# Altium PCB Digitalizador_RPi.PcbDoc (part 1 of 3)
Units mm, origin at the board's own origin, x right, y up, seen from the top; angles counter-clockwise.
Board outline 147 x 95 mm, 2 copper layers (Top Layer, Bottom Layer); 227 components, 173 nets, 747 pads, 172 vias.
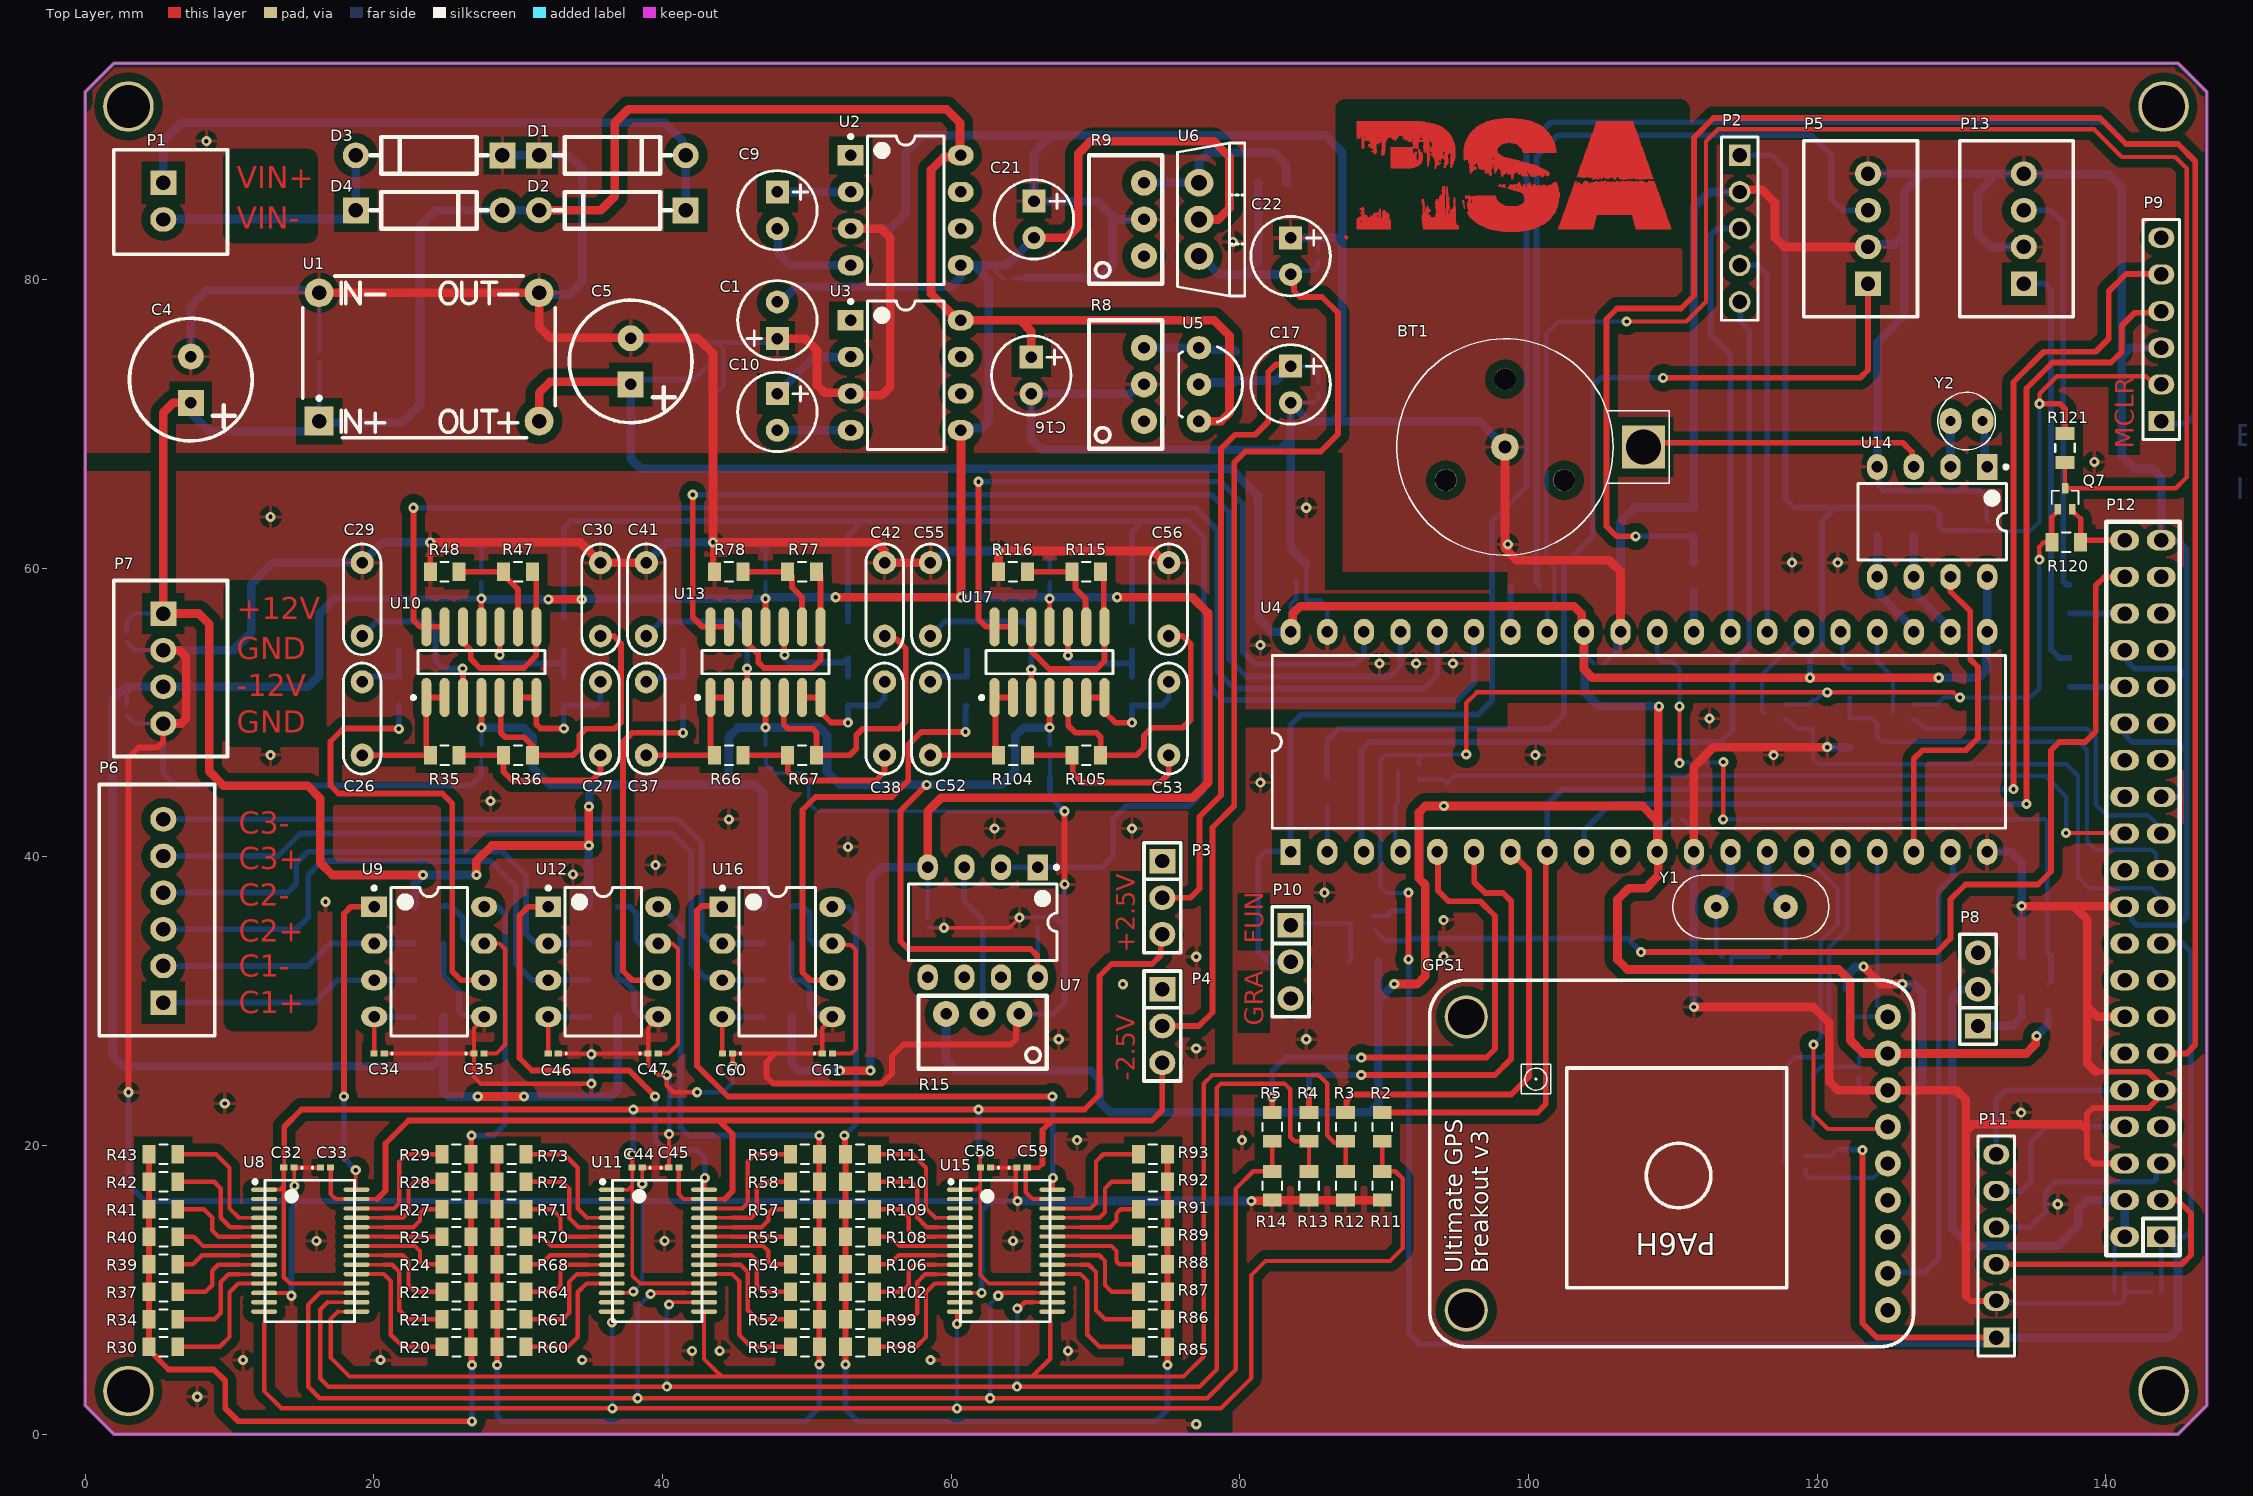
[diagram p0: Top Layer view]
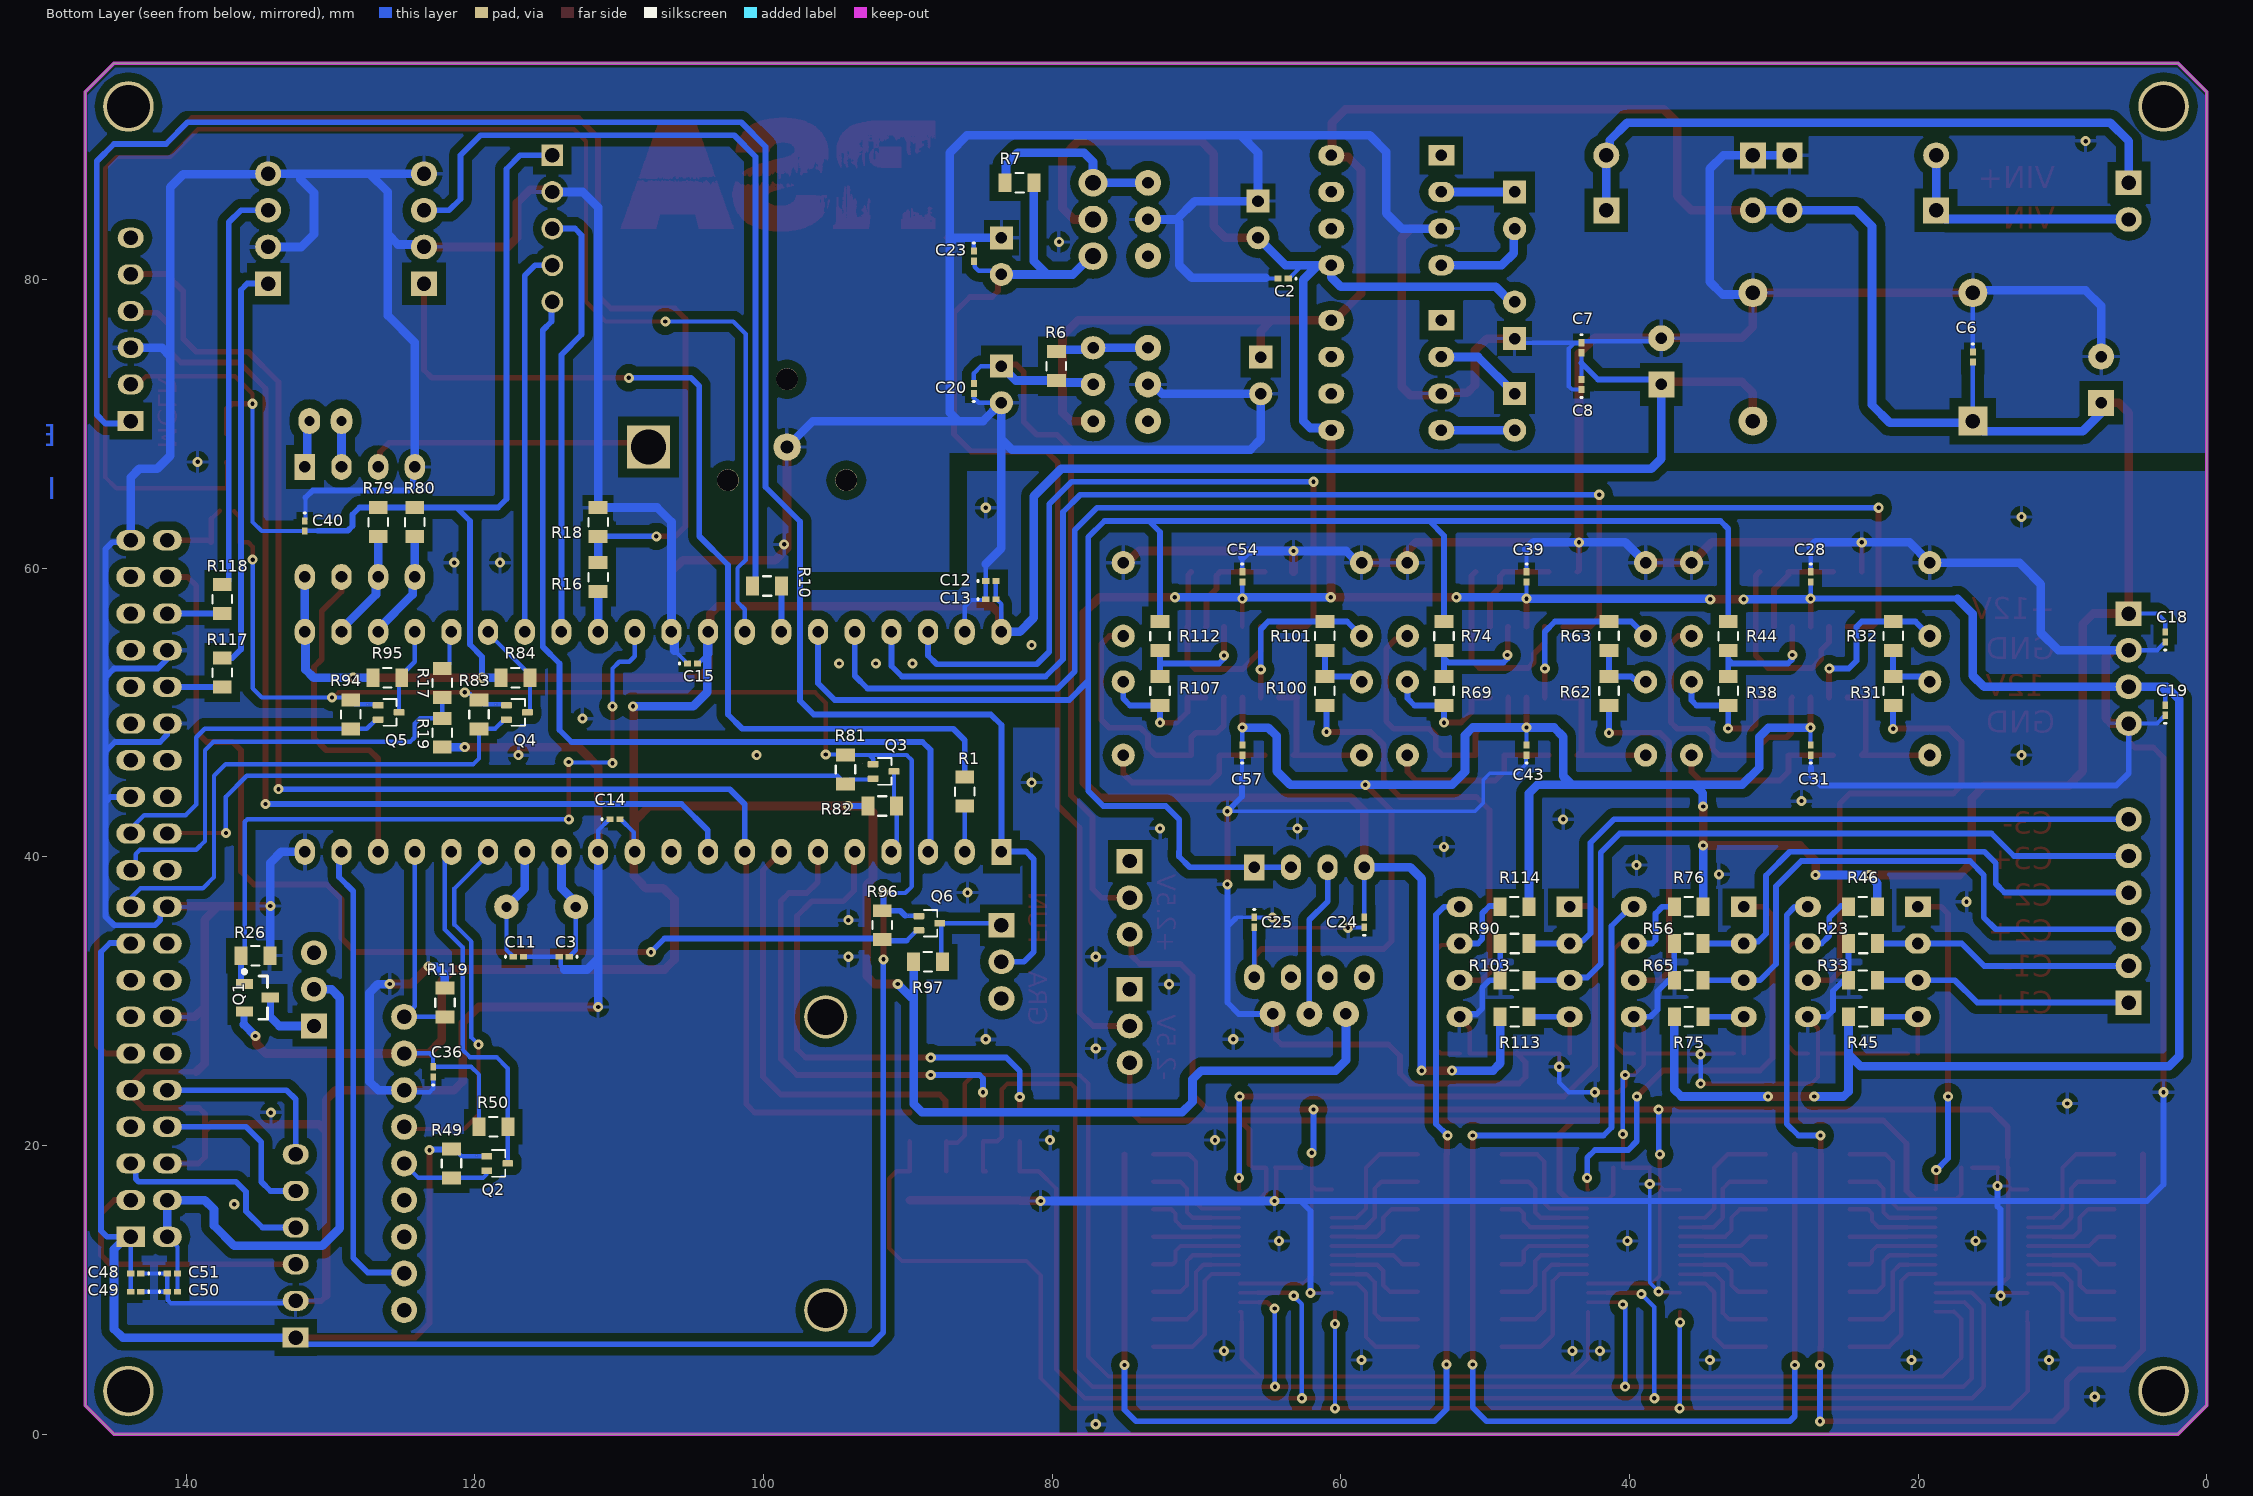
[diagram p1: Bottom Layer view, seen from below]
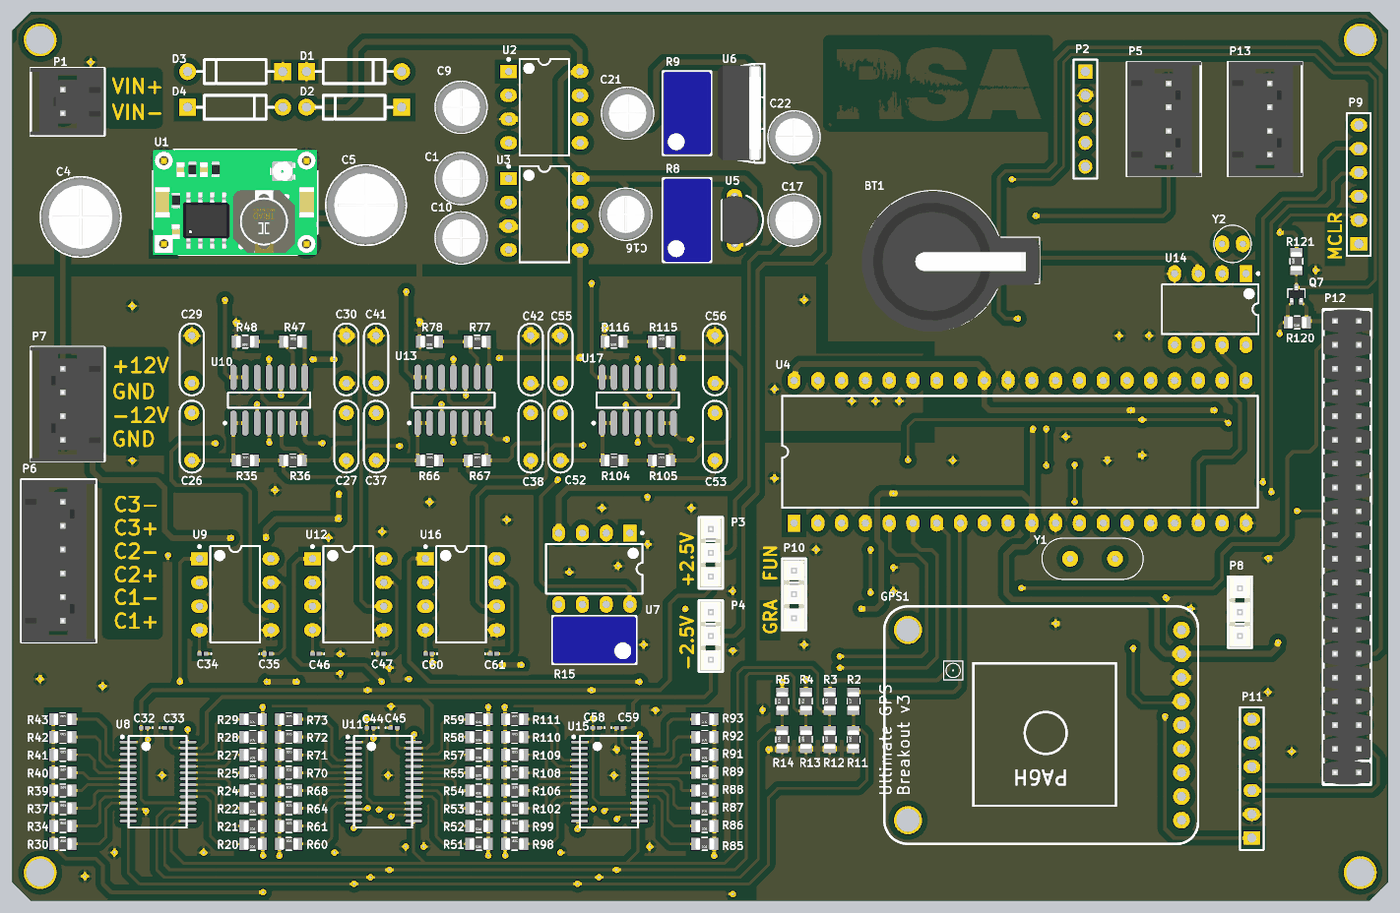
[diagram p4: 3D render of the assembled board from above, using the file's embedded part models]
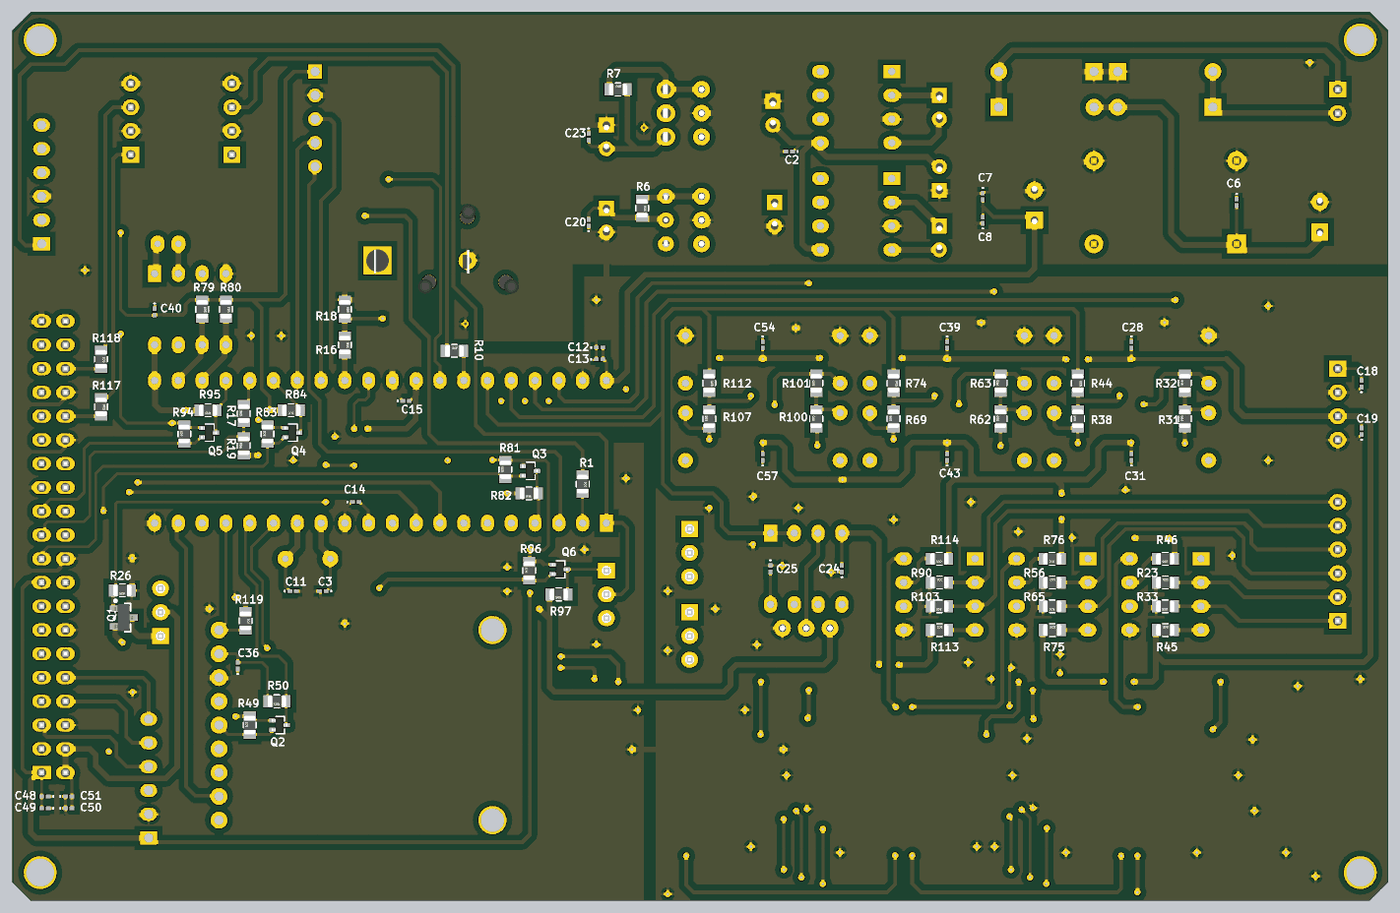
[diagram p5: 3D render of the assembled board from below, using the file's embedded part models]

## Layer stack, top to bottom
Top Solder: solder mask 0.0102, Solder Resist, Dk 3.5
Top Layer: signal copper 0.0356
Dielectric 1: dielectric 0.32, FR-4, Dk 4.8
Bottom Layer: signal copper 0.0356
Bottom Solder: solder mask 0.0102, Solder Resist, Dk 3.5

## Board outline
0,2 0,93 2,95 145,95 147,93 147,2 145,0 2,0

## Design rules (kind name [scope] priority, off if disabled: settings)
Clearance [All] p1: gap=0.2 ignorepadtopadclearanceinfootprint=FALSE except(0.6: Arc-Poly Track-Poly SMDPad-Poly THPad-Poly Via-Poly Fill-Poly Poly-Poly Poly-Region)
PlaneClearance [All] p1: clearance=0.8
PlaneConnect [All] p1: planeconnectstyle=Relief reliefexpansion=0.508 reliefentries=4 reliefconductorwidth=0.254 reliefairgap=0.4
PolygonConnect [All] p1: connectstyle=Relief reliefconductorwidth=0.254 reliefentries=4 polygonreliefangle="90 Angle" airgapwidth=0.4
RoutingVias [All] p1: holewidth=0.3 width=0.7 viastyle="Through Hole" minholewidth=0.3 minwidth=0.7 maxholewidth=0.3 maxwidth=0.7
SMDNeckDown [All] p1: percent=85.000
SolderMaskExpansion [All] p1: expansion=0.102
Width [All] p1: maxlimit=1 minlimit=0.254 preferedwidth=0.3 minimp=50.000000 maximp=50.000000 favimp=50.000000
28 further rules are at their usual default settings.

## Components (designator, comment, footprint, x,y, rotation, side; value= is the part's Value field where it differs from the comment)
BT1 "Bateria" Bateria-DS1307 107.968,68.405 r180 top
C1 "Cap Pol1" CAP_5.5MM 47.96,75.915 r90 top value=47uF
C2 "Cap" 0603 63.995,80.075 r0 bottom value=100nF
C3 "Cap" 0603 113.81,33.085 r0 bottom value=22pF
C4 "Cap Pol1" CAP_8.5mm 7.32,73.07 r270 top value=470uF
C5 "Cap Pol1" CAP_8.5mm 37.8,74.34 r270 top value=470uF
C6 "Cap" 0603 16.21,74.645 r270 bottom value=100nF
C7 "Cap" 0603 43.325,75.28 r270 bottom value=100nF
C8 "Cap" 0603 43.325,72.74 r90 bottom value=10nF
C9 "Cap Pol1" CAP_5.5MM 47.96,86.075 r270 top value=47uF
C10 "Cap Pol1" CAP_5.5MM 47.96,72.105 r270 top value=47uF
C11 "Cap" 0603 116.985,33.085 r180 bottom value=22pF
C12 "Cap" 0603 84.25,59.12 r180 bottom value=10nF
C13 "Cap" 0603 84.25,57.85 r180 bottom value=100nF
C14 "Cap" 0603 110.285,42.61 r180 bottom value=10nF
C15 "Cap" 0603 104.92,53.405 r180 bottom value=100nF
C16 "Cap Pol1" CAP_5.5MM 65.55,74.635 r270 top value=100uF
C17 "Cap Pol1" CAP_5.5MM 83.52,74.01 r270 top value=100uF
C18 "Cap" 0603 2.875,55.245 r90 bottom value=100nF
C19 "Cap" 0603 2.875,50.165 r90 bottom value=100nF
C20 "Cap" 0603 85.425,72.455 r90 bottom value=100nF
C21 "Cap Pol1" CAP_5.5MM 65.74,85.44 r270 top value=100uF
C22 "Cap Pol1" CAP_5.5MM 83.52,82.9 r270 top value=100uF
C23 "Cap" 0603 85.425,81.63 r270 bottom value=100nF
C24 "Cap" 0603 58.375,35.475 r90 bottom value=100nF
C25 "Cap" 0603 65.995,35.475 r270 bottom value=100nF
C26 "Cap" RAD0.2 19.195,47.055 r90 top value=220nF
C27 "Cap" RAD0.2 35.705,52.135 r270 top value=470nF
C28 "Cap" 0603 27.45,59.405 r270 bottom value=100nF
C29 "Cap" RAD0.2 19.195,55.31 r90 top value=68nF
C30 "Cap" RAD0.2 35.705,55.31 r90 top value=22nF
C31 "Cap" 0603 27.45,47.405 r90 bottom value=100nF
C32 "100nF" 0603 14.115,18.48 r180 top
C33 "100nF" 0603 16.655,18.48 r0 top
C34 "Cap" 0603 20.37,26.385 r180 top value=100nF
C35 "Cap" 0603 27.29,26.385 r0 top value=100nF
C36 "Cap" 0603 122.89,25.115 r90 bottom value=100nF
C37 "Cap" RAD0.2 38.88,47.055 r90 top value=220nF
C38 "Cap" RAD0.2 55.39,52.135 r270 top value=470nF
C39 "Cap" 0603 47.135,59.405 r270 bottom value=100nF
C40 "Cap" 0603 131.78,62.93 r270 bottom value=100nF
C41 "Cap" RAD0.2 38.88,55.31 r90 top value=68nF
C42 "Cap" RAD0.2 55.39,55.31 r90 top value=22nF
C43 "Cap" 0603 47.135,47.405 r90 bottom value=100nF
C44 "100nF" 0603 38.245,18.48 r180 top
C45 "100nF" 0603 40.785,18.48 r0 top
C46 "Cap" 0603 32.435,26.385 r180 top value=100nF
C47 "Cap" 0603 39.355,26.385 r0 top value=100nF
C48 "Cap" 0603 143.495,11.145 r0 bottom value=10nF
C49 "Cap" 0603 143.495,9.875 r0 bottom value=100nF
C50 "Cap" 0603 140.955,9.875 r180 bottom value=10nF
C51 "Cap" 0603 140.955,11.145 r180 bottom value=100nF
C52 "Cap" RAD0.2 58.565,47.055 r90 top value=220nF
C53 "Cap" RAD0.2 75.075,52.135 r270 top value=470nF
C54 "Cap" 0603 66.82,59.405 r270 bottom value=100nF
C55 "Cap" RAD0.2 58.565,55.31 r90 top value=68nF
C56 "Cap" RAD0.2 75.075,55.31 r90 top value=22nF
C57 "Cap" 0603 66.82,47.405 r90 bottom value=100nF
C58 "100nF" 0603 62.375,18.48 r180 top
C59 "100nF" 0603 64.915,18.48 r0 top
C60 "Cap" 0603 44.5,26.385 r180 top value=100nF
C61 "Cap" 0603 51.42,26.385 r0 top value=100nF
D1 "Diode 1N4007" DIODE-0.4A 31.45,88.615 r0 top
D2 "Diode 1N4007" DIODE-0.4A 41.61,84.805 r180 top
D3 "Diode 1N4007" DIODE-0.4A 28.91,88.615 r180 top
D4 "Diode 1N4007" DIODE-0.4A 18.75,84.805 r0 top
GPS1 "GPS_BREAKOUT_V3" GPS_BREAKOUT_V3 124.9,28.925 r180 top
P1 "Molex Batería" MOLEX-2 5.415,86.71 r270 top
P2 "Conector Pines Extra" HDR1X5 114.635,88.615 r270 top
P3 "JumperAliment+2.5" SIP-1X3-M 74.63,39.72 r270 top
P4 "JumperAliment-2.5" SIP-1X3-M 74.63,30.83 r270 top
P5 "Molex LEDs" MOLEX-4 123.525,79.725 r90 top
P6 "Molex Geofono" MOLEX-6 5.415,29.91 r90 top
P7 "Molex Alim Geofono" MOLEX-4 5.415,56.865 r270 top
P8 "Jumper Alim RPi" SIP-1X3-M 131.145,28.29 r90 top
P9 "Grabador" HDR1X6 143.845,70.2 r90 top
P10 "Jumper MCLR" SIP-1X3-M 83.52,35.275 r270 top
P11 "Conector Pines Extra RPi" HDR1X6 132.415,6.7 r90 top
P12 "RPI_Pins" SIP-2X20-M 143.845,13.685 r90 top
P13 "Molex LEDs RPi" MOLEX-4 134.32,79.725 r90 top
Q1 "MOSFET-P DMP3125L" SOT23-3L 135.065,30.255 r270 bottom
Q2 "2N7002T" SOT523 118.445,18.765 r180 bottom
Q3 "2N7002T" SOT523 91.685,45.935 r180 bottom
Q4 "2N7002T" SOT523 117.085,50.015 r180 bottom
Q5 "2N7002T" SOT523 125.975,50.015 r180 bottom
Q6 "2N7002T" SOT523 88.51,35.41 r180 bottom
Q7 "2N7002T" SOT523 137.175,64.82 r90 top
R1 "Res1" 0805 86.06,44.53 r270 bottom value=5k
R2 "Res1" 0805 89.87,21.305 r90 top value=5k
R3 "Res1" 0805 87.33,21.305 r90 top value=5k
R4 "Res1" 0805 84.79,21.305 r90 top value=5k
R5 "Res1" 0805 82.25,21.305 r90 top value=5k
R6 "Res1" 0805 79.71,74.01 r270 bottom value=1K
R7 "Res1" 0805 82.273,86.71 r180 bottom value=1K
R8 "RPot" VR-5t 73.36,75.28 r270 top value=1K
R9 "RPot" VR-5t 73.36,86.71 r270 top value=20K
R10 "Res1" 0805 99.76,58.77 r180 bottom value=5k
R11 "Res1" 0805 89.87,17.225 r90 top value=5k
R12 "Res1" 0805 87.33,17.225 r90 top value=5k
R13 "Res1" 0805 84.79,17.225 r90 top value=5k
R14 "Res1" 0805 82.25,17.225 r90 top value=5k
R15 "RPot" VR-5t 59.645,29.125 r0 top value=50K
R16 "Res1" 0805 111.46,59.395 r270 bottom value=100
R17 "Res1" 0805 122.255,52.055 r90 bottom value=100
R18 "Res1" 0805 111.46,63.215 r270 bottom value=200
R19 "Res1" 0805 122.255,48.61 r90 bottom value=200
R20 "" 0805 25.735,6.065 r180 top value=R1
R21 "" 0805 25.735,7.97 r180 top value=R2
R22 "" 0805 25.735,9.875 r180 top value=R3
R23 "Res1" 0805 23.83,34.005 r180 bottom value=51.1K
R24 "" 0805 25.735,11.78 r180 top value=R4
R25 "" 0805 25.735,13.685 r180 top value=R5
R26 "Res1" 0805 135.21,33.165 r0 bottom value=100k
R27 "" 0805 25.735,15.59 r180 top value=R6
R28 "" 0805 25.735,17.495 r180 top value=R7
R29 "" 0805 25.735,19.4 r180 top value=R8
R30 "" 0805 5.415,6.065 r0 top value=R9
R31 "Res1" 0805 21.735,51.5 r90 bottom value=5.6K
R32 "Res1" 0805 21.735,55.31 r90 bottom value=47K
R33 "Res1" 0805 23.83,31.465 r0 bottom value=51.1K
R34 "" 0805 5.415,7.97 r0 top value=R10
R35 "Res1" 0805 24.91,47.055 r0 top value=5.6K
R36 "Res1" 0805 29.99,47.055 r0 top value=68K
R37 "" 0805 5.415,9.875 r0 top value=R11
R38 "Res1" 0805 33.165,51.5 r90 bottom value=1K
R39 "" 0805 5.415,11.78 r0 top value=R12
R40 "" 0805 5.415,13.685 r0 top value=R13
R41 "" 0805 5.415,15.59 r0 top value=R14
R42 "" 0805 5.415,17.495 r0 top value=R15
R43 "" 0805 5.415,19.4 r0 top value=R16
R44 "Res1" 0805 33.165,55.31 r270 bottom value=1K
R45 "Res1" 0805 23.83,28.925 r180 bottom value=51
R46 "Res1" 0805 23.83,36.545 r0 bottom value=51
R47 "Res1" 0805 29.99,59.755 r0 top value=1K
R48 "Res1" 0805 24.91,59.755 r180 top value=1K
R49 "Res1" 0805 121.62,18.765 r90 bottom value=1k
R50 "Res1" 0805 118.715,21.305 r0 bottom value=1k
R51 "" 0805 49.865,6.065 r180 top value=R1
R52 "" 0805 49.865,7.97 r180 top value=R2
R53 "" 0805 49.865,9.875 r180 top value=R3
R54 "" 0805 49.865,11.78 r180 top value=R4
R55 "" 0805 49.865,13.685 r180 top value=R5
R56 "Res1" 0805 35.895,34.005 r180 bottom value=51.1K
R57 "" 0805 49.865,15.59 r180 top value=R6
R58 "" 0805 49.865,17.495 r180 top value=R7
R59 "" 0805 49.865,19.4 r180 top value=R8
R60 "" 0805 29.545,6.065 r0 top value=R9
R61 "" 0805 29.545,7.97 r0 top value=R10
R62 "Res1" 0805 41.42,51.5 r90 bottom value=5.6K
R63 "Res1" 0805 41.42,55.31 r90 bottom value=47K
R64 "" 0805 29.545,9.875 r0 top value=R11
R65 "Res1" 0805 35.895,31.465 r0 bottom value=51.1K